# Altium PCB STM32_XC_BZB_2024-2.PcbDoc (part 1 of 2)
Units mil, origin at the board's own origin, x right, y up, seen from the top; angles counter-clockwise.
Board outline 3425 x 3900 mil, 2 copper layers (Top Layer, Bottom Layer); 34 components, 44 nets, 153 pads, 16 vias.
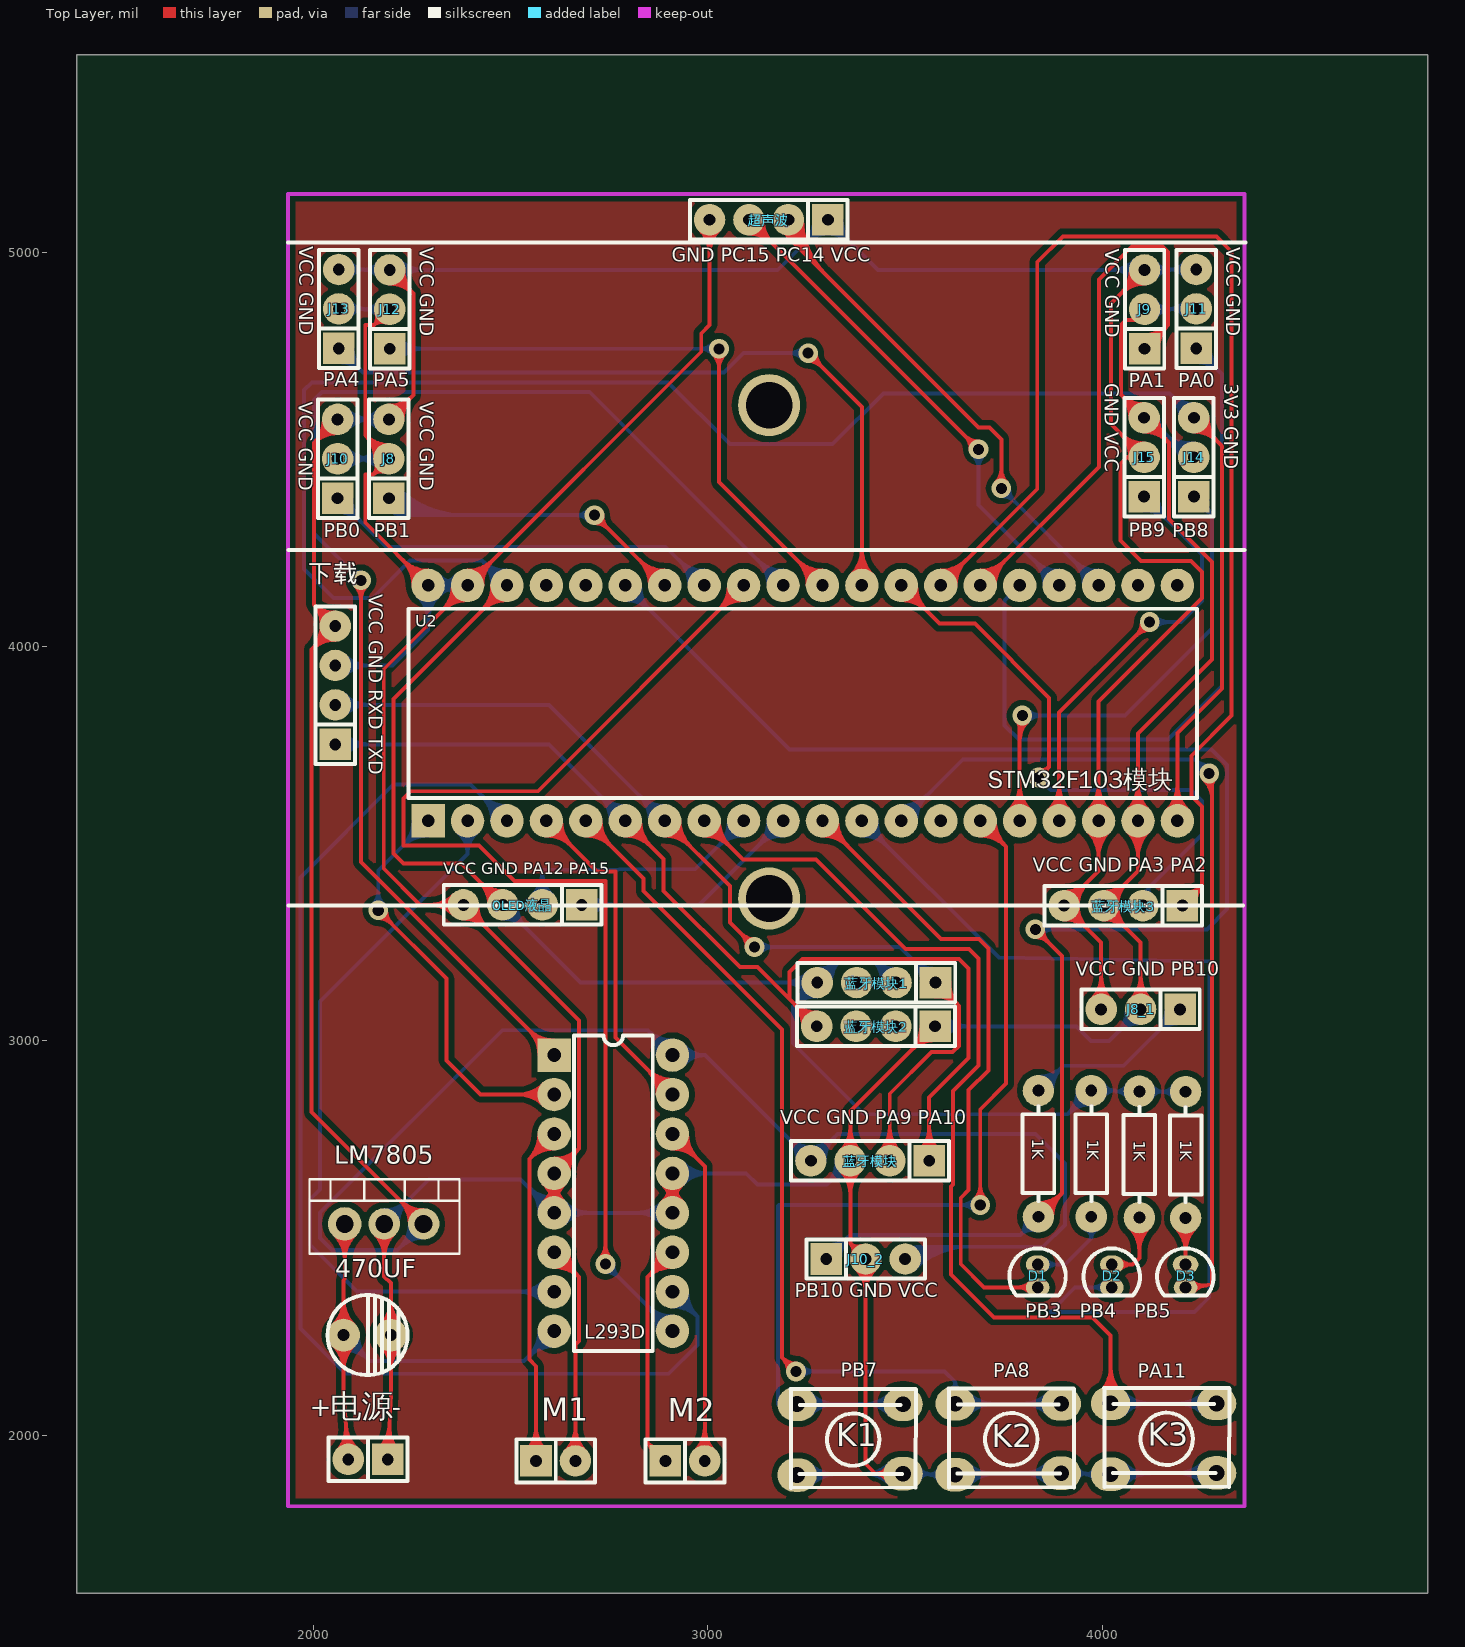
[diagram p0: Top Layer view]
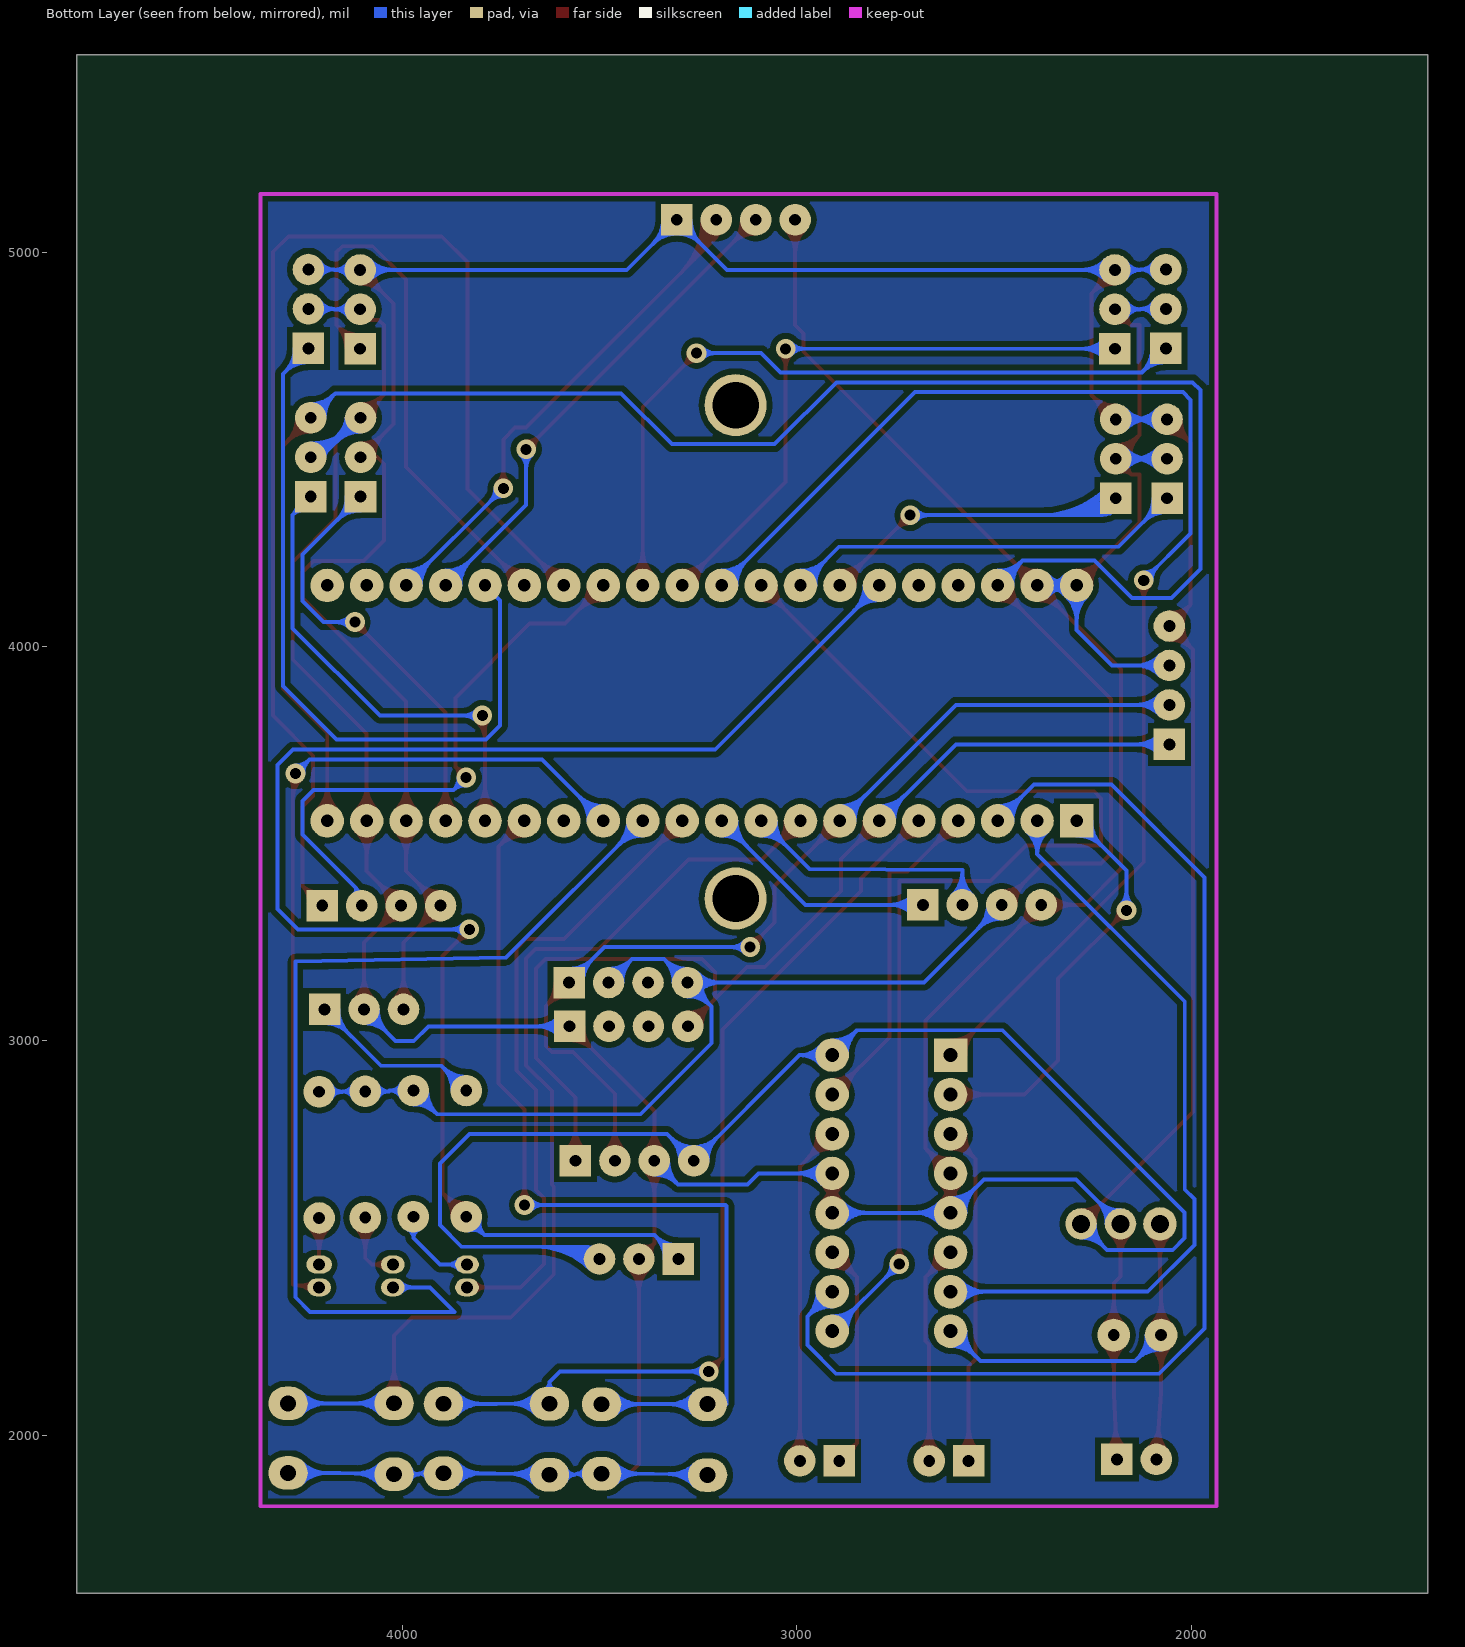
[diagram p1: Bottom Layer view, seen from below]

## Layer stack, top to bottom
Top Layer: signal copper 1.4
Dielectric: dielectric 12.6, FR-4, Dk 4.8
Bottom Layer: signal copper 1.4

## Board outline
1400,5500 4825,5500 4825,1600 1400,1600 1400,5500

## Design rules (kind name [scope] priority, off if disabled: settings)
Clearance [All] p1: gap=15
PolygonConnect [All] p1: connectstyle=Relief reliefconductorwidth=10 reliefentries=4 polygonreliefangle="90 Angle" airgapwidth=10
RoutingVias [All] p1: holewidth=28 width=50 viastyle="Through Hole" minholewidth=28 minwidth=50 maxholewidth=28 maxwidth=50
SilkscreenOverComponentPads [All] p1: minsilkscreentomaskgap=10
SolderMaskExpansion [All] p1: expansion=4
Width [All] p1: maxlimit=50 minlimit=10 preferedwidth=10
27 further rules are at their usual default settings.

## Components (designator, comment, footprint, x,y, rotation, side; value= is the part's Value field where it differs from the comment)
1K "470" R2 3838,2734 r90 top (schematic designator R3)
1K "470" R2 4211,2691 r270 top (schematic designator R3)
1K "470" R2 4094,2692 r270 top (schematic designator R2)
1K "470" R2 3972,2694 r270 top (schematic designator R1)
470UF "470uF" CD1 2186,2259 r180 top (schematic designator C1)
+电源- "POWER" SIP2 2148,1934 r180 top (schematic designator J2)
D1 "" LED-3#1 3836,2403 r270 top (schematic designator D3)
D2 "开关/速度指示灯" LED-3#1 4024,2403 r270 top (schematic designator D4)
D3 "LED" LED-3#2 4211,2403 r270 top (schematic designator D5)
J8 "CGY_Z2" SIP3 2181,4476 r90 top
J8_1 "CGY_Z2" SIP3 4097,3070 r180 top (schematic designator J8)
J9 "CGQ_Y2" SIP3 4097,4855 r90 top
J10 "CGQ_Z1" SIP3 2051,4476 r90 top
J10_2 "CGQ_Z1" SIP3 3400,2457 r0 top (schematic designator J10)
J11 "CGQ_Y1" SIP3 4228,4856 r90 top
J12 "CGQ_Y3" SIP3 2183,4855 r90 top
J13 "CGQ_Y3" SIP3 2054,4856 r90 top (schematic designator J12)
J14 "CGQ_Y3" SIP3 4222,4480 r90 top (schematic designator J12)
J15 "CGQ_Y3" SIP3 4096,4480 r90 top (schematic designator J12)
K1 "微动开关" SW-PB 3361,1974 r180 top
K2 "微动开关" SW-PB 3762,1975 r180 top
K3 "微动开关" SW-PB 4156,1976 r180 top
L293D "L293D" DIP16 2767,2684 r0 top (schematic designator U3)
LM7805 "LM7805" LM7805 2179,2536 r0 top (schematic designator U1)
M1 "左电机" SIP2 2604,1940 r0 top (schematic designator J4)
M2 "右电机" SIP2 2932,1940 r0 top (schematic designator J5)
OLED液晶 "OLED液晶" SIP4 2680,3355 r180 top (schematic designator J1)
U2 "STM32最小系统（STM32F103C8T6）" stm32f103_mini 2878,3815 r90 top
下载 "串口及程序下载接口" SIP4 2065,3752 r90 top (schematic designator J3)
蓝牙模块 "蓝牙串口模块" SIP4 3561,2706 r180 top (schematic designator J6)
蓝牙模块1 "蓝牙串口模块" SIP4 3577,3158 r180 top (schematic designator J6)
蓝牙模块2 "蓝牙串口模块" SIP4 3576,3047 r180 top (schematic designator J6)
蓝牙模块3 "蓝牙串口模块" SIP4 4203,3353 r180 top (schematic designator J6)
超声波 "超声波模块" SIP4 3304,5092 r180 top (schematic designator J7)

## Footprints (in the part's own frame and the unit in brackets; to place one, negate y for a bottom-side part, rotate by r counter-clockwise, add the part's x,y. Pads: shape width x height; smd on the part's side, far side on the other; paste and mask are expansions set on the pad)
CD1 [mil]
  round 83 hole 30: 1(110,5) 2(-10,5)
  silkscreen extent -53,-96 151,106
DIP16 [mil]
  rect 85x85 hole 35: 1(-157.01,280.08)
  round 85 hole 35: 2(-157.01,180.08) 3(-157.01,80.08) 4(-157.01,-19.92) 5(-157.01,-119.92) 6(-157.01,-219.92) 7(-157.01,-319.92) 8(-157.01,-419.92) 9(142.99,-419.92) 10(142.99,-319.92) 11(142.99,-219.92) 12(142.99,-119.92) 13(142.99,-19.92) 14(142.99,80.08) 15(142.99,180.08) 16(142.99,280.08)
  silkscreen extent -107,-470 93,330
LED-3#1 [mil]
  oval 45x60 hole 30: 1(-30,0) 2(28,0)
  silkscreen extent -71,-72 48,71
LED-3#2 [mil]
  oval 45x65 hole 30: 1(-30,0)
  oval 45x60 hole 30: 2(28,0)
  silkscreen extent -71,-72 48,71
LM7805 [mil]
  round 85 hole 45: 1(-100,0)
  round 80 hole 45: 2(0,0) 3(100,0)
  silkscreen extent -189,-76 191,113
R2 [mil]
  round 80 hole 30: 1(-180,0) 2(140,0)
  silkscreen extent -140,-40 100,40
SIP2 [mil]
  rect 80x80 hole 30: 1(-40,-5)
  round 80 hole 30: 2(60,-5)
  silkscreen extent -90,-60 110,50
SIP3 [mil]
  rect 80x80 hole 30: 1(-100,-10)
  round 80 hole 30: 2(0,-10) 3(100,-10)
  silkscreen extent -150,-60 150,40
SIP4 [mil]
  rect 80x80 hole 30: 1(0,10)
  round 80 hole 30: 2(100,10) 3(200,10) 4(300,10)
  silkscreen extent -50,-40 350,60
stm32f103_mini [mil]
  rect 85x85 hole 31.5: 1(-256.96,587.62)
  round 85 hole 31.5: 2(-256.96,487.62) 3(-256.96,387.62) 4(-256.96,287.62) 5(-256.96,187.62) 6(-256.96,87.62) 7(-256.96,-12.38) 8(-256.96,-112.38) 9(-256.96,-212.38) 10(-256.96,-312.38) 11(-256.96,-412.38) 12(-256.96,-512.38) 13(-256.96,-612.38) 14(-256.96,-712.38) 15(-256.96,-812.38) 16(-256.96,-912.38) 17(-256.96,-1012.38) 18(-256.96,-1112.38) 19(-256.96,-1212.38) 20(-256.96,-1312.38) 21(339.89,-1312.38) 22(339.89,-1212.38) 23(339.89,-1112.38) 24(339.89,-1012.38) 25(339.89,-912.38) 26(339.89,-812.38) 27(339.89,-712.38) 28(339.89,-612.38) 29(339.89,-512.38) 30(339.89,-412.38) 31(339.89,-312.38) 32(339.89,-212.38) 33(339.89,-112.38) 34(339.89,-12.38) 35(339.89,87.62) 36(339.89,187.62) 37(339.89,287.62) 38(339.89,387.62) 39(339.89,487.62) 40(339.89,587.62)
  silkscreen extent -199,-1362 281,638
SW-PB [mil]
  oval 100x85 hole 40: 1(-133.74,71.53) 1(135,75) 2(-133.74,-104.84) 2(135,-105)
  silkscreen extent -166,-144 152,108

## Free pads (board coordinates)
  round 157.48 hole 118.11: 0(3155,3361) 0(3155,4612)

## Via types
v1: diameter 50, hole 28, Top Layer to Bottom Layer, 16 vias

## Nets (pads, with @x,y where several pads share a name; then routed paths per layer and width w, separated by ;. In a path a pad name is that pad's centre, name@x,y a point inside that pad or via, vN(x,y) a via of type N, cw(c..) or ccw(c..) an arc to the next point about the centre after c; other vN are vias at no path point)
3V3: 1K.1@3972,2874 1K.1@4094,2872 1K.1@4211,2871 J14.3 OLED液晶.3 U2.20 U2.38 蓝牙模块1.2 蓝牙模块1.4 | length 11358
  Top Layer w10: OLED液晶.3@2445,3345 ccw(c2360.5,3345) 2420.25,3404.75 ccw(c2480,3464.5) OLED液晶.3@2480,3380 ; U2.38@2452.88,4154.89 cw(c2362.34,4154.89) 2426.36,4090.87 cw(c2490.38,4026.86) U2.38@2490.38,4117.39 ; OLED液晶.3@2455,3345 ccw(c2394.64,3345) 2437.32,3387.68 ccw(c2480,3430.36) OLED液晶.3@2480,3370 ; U2.38@2462.88,4154.89 cw(c2396.49,4154.89) 2443.43,4107.94 cw(c2490.38,4061) U2.38@2490.38,4127.39 ; OLED液晶.3@2480,3345 2375,3450 2228.41,3450 2202.88,3475.53 2202.88,3867.39 U2.38@2490.38,4154.89 ; U2.20@4163.86,3584.56 ccw(c4099.85,3648.57) 4190.38,3648.57 ccw(c4280.91,3648.57) U2.20@4216.89,3584.56 ; U2.20@4170.93,3577.49 ccw(c4123.99,3624.43) 4190.38,3624.43 ccw(c4256.77,3624.43) U2.20@4209.82,3577.49 ; U2.20@4190.38,3558.04 4190.38,3780.38 4303,3893 4303,4509 J14.3@4232,4580 ; J14.3@4232,4545 cw(c4232,4460.5) 4291.75,4520.25 cw(c4351.5,4580) J14.3@4267,4580 ; J14.3@4232,4555 cw(c4232,4494.64) 4274.68,4537.32 cw(c4317.36,4580) J14.3@4257,4580
  Bottom Layer w10: U2.38@2452.88,4155.27 ccw(c2365.44,4156.16) 2427.27,4218 ; U2.38@2462.88,4155.17 ccw(c2398.75,4155.82) 2444.1,4201.17 ccw(c2489.45,4246.51) U2.38@2490.1,4182.39 ; OLED液晶.3@2480,3310 cw(c2480,3225.5) 2539.75,3285.25 cw(c2599.5,3345) OLED液晶.3@2515,3345 ; OLED液晶.3@2480,3320 cw(c2480,3259.64) 2522.68,3302.32 cw(c2565.36,3345) OLED液晶.3@2505,3345 ; OLED液晶.3@2480,3345 2677,3148 蓝牙模块1.4@3277,3148 ; U2.38@2490,4192.39 cw(c2489.11,4279.83) 2427.27,4218 ; U2.38@2490.38,4154.89 2427.27,4218 ; 蓝牙模块1.4@3242,3148 cw(c3157.5,3148) 3217.25,3088.25 cw(c3277,3028.5) 蓝牙模块1.4@3277,3113 ; 蓝牙模块1.4@3252,3148 cw(c3191.64,3148) 3234.32,3105.32 cw(c3277,3062.64) 蓝牙模块1.4@3277,3123 ; 蓝牙模块1.4@3252.25,3123.25 ccw(c3192.5,3063.5) 3192.5,3148 ccw(c3192.5,3232.5) 蓝牙模块1.4@3252.25,3172.75 ; 蓝牙模块1.4@3259.32,3130.32 ccw(c3216.64,3087.64) 3216.64,3148 ccw(c3216.64,3208.36) 蓝牙模块1.4@3259.32,3165.68 ; 蓝牙模块1.4@3277,3173 ccw(c3277,3233.36) 3319.68,3190.68 ccw(c3362.36,3148) 蓝牙模块1.4@3302,3148 ; 蓝牙模块1.4@3277,3183 ccw(c3277,3267.5) 3336.75,3207.75 ccw(c3396.5,3148) 蓝牙模块1.4@3312,3148 ; 蓝牙模块1.2@3442,3148 ccw(c3357.5,3148) 3417.25,3207.75 ccw(c3477,3267.5) 蓝牙模块1.2@3477,3183 ; 蓝牙模块1.2@3452,3148 ccw(c3391.64,3148) 3434.32,3190.68 ccw(c3477,3233.36) 蓝牙模块1.2@3477,3173 ; 蓝牙模块1.2@3477,3148 3417,3208 3337,3208 蓝牙模块1.4@3277,3148 ; 1K.1@3937,2874 cw(c3852.5,2874) 3912.25,2814.25 cw(c3972,2754.5) 1K.1@3972,2839 ; 1K.1@3947,2874 cw(c3886.64,2874) 3929.32,2831.32 cw(c3972,2788.64) 1K.1@3972,2849 ; 1K.1@3993.76,2861.7 cw(c4014.86,2849.77) 4014.86,2874 cw(c4014.86,2898.23) 1K.1@3993.76,2886.3 ; 1K.1@4002.47,2856.77 cw(c4032,2840.08) 4032,2874 ; 1K.1@4002.47,2891.23 ccw(c4032,2907.92) 4032,2874 ; 1K.1@4063.53,2854.77 ccw(c4034,2838.08) 4034,2872 ; 1K.1@4063.53,2889.23 cw(c4034,2905.92) 4034,2872 ; 1K.1@4072.24,2859.7 ccw(c4051.14,2847.77) 4051.14,2872 ccw(c4051.14,2896.23) 1K.1@4072.24,2884.3 ; 1K.1@4116.12,2860.35 cw(c4135.43,2850.18) 4135.43,2872 cw(c4135.43,2893.82) 1K.1@4116.12,2883.65 ; 1K.1@4124.97,2855.69 cw(c4152,2841.45) 4152,2872 ; 1K.1@4124.97,2888.31 ccw(c4152,2902.55) 4152,2872 ; 1K.1@4180.03,2854.69 ccw(c4153,2840.45) 4153,2871 ; 1K.1@4180.03,2887.31 cw(c4153,2901.55) 4153,2871 ; 1K.1@4188.88,2859.35 ccw(c4169.57,2849.18) 4169.57,2871 ccw(c4169.57,2892.82) 1K.1@4188.88,2882.65 ; J14.3@4197,4580 ccw(c4112.5,4580) 4172.25,4639.75 ccw(c4232,4699.5) J14.3@4232,4615 ; J14.3@4207,4580 ccw(c4146.64,4580) 4189.32,4622.68 ccw(c4232,4665.36) J14.3@4232,4605 ; 1K.1@4211,2871 4153,2871 ; J14.3@4232,4580 4170,4642 3445,4642 3316,4513 3056,4513 2899,4670 1996,4670 1976,4650 1976,4197 2050,4123 2150,4123 2245,4218 2427.27,4218 ; 蓝牙模块1.4@3277,3148 3216,3087 3216,2994 3396,2814 3912,2814 1K.1@3972,2874 4032,2874 ; 4032,2874 4034,2872 ; 4034,2872 1K.1@4094,2872 4152,2872 ; 4152,2872 4153,2871
7.2V: 470UF.1 +电源-.2 L293D.8 LM7805.1 | length 2628.8
  Top Layer w10: 470UF.1@2050.19,2228.19 cw(c1987.88,2165.88) 2076,2165.88 cw(c2164.12,2165.88) 470UF.1@2101.81,2228.19 ; 470UF.1@2050.19,2279.81 ccw(c1987.88,2342.12) 2076,2342.12 ccw(c2164.12,2342.12) 470UF.1@2101.81,2279.81 ; LM7805.1@2052.48,2509.48 cw(c1988.47,2445.47) 2079,2445.47 cw(c2169.53,2445.47) LM7805.1@2105.52,2509.48 ; 470UF.1@2057.26,2235.26 cw(c2012.02,2190.02) 2076,2190.02 cw(c2139.98,2190.02) 470UF.1@2094.74,2235.26 ; 470UF.1@2057.26,2272.74 ccw(c2012.02,2317.98) 2076,2317.98 ccw(c2139.98,2317.98) 470UF.1@2094.74,2272.74 ; LM7805.1@2059.55,2516.55 cw(c2012.61,2469.61) 2079,2469.61 cw(c2145.39,2469.61) LM7805.1@2098.45,2516.55 ; +电源-.2@2061.56,1961.93 ccw(c1997.73,2017.3) 2082.02,2023.29 ccw(c2166.3,2029.27) +电源-.2@2110.93,1965.44 ; +电源-.2@2069.11,1955.38 ccw(c2023.52,1994.93) 2083.73,1999.2 ccw(c2143.93,2003.48) +电源-.2@2104.38,1957.89 ; LM7805.1@2079,2536 2079,2396 2076,2393 470UF.1@2076,2254 2076,2108 +电源-.2@2088,1939
  Bottom Layer w10: 470UF.1@2076,2217.5 cw(c2076,2129.38) 2138.31,2191.69 cw(c2200.62,2254) 470UF.1@2112.5,2254 ; 470UF.1@2076,2227.5 cw(c2076,2163.52) 2121.24,2208.76 cw(c2166.48,2254) 470UF.1@2102.5,2254 ; 470UF.1@2076,2254 2142,2188 2533.91,2188 L293D.8@2609.99,2264.08 ; L293D.8@2572.49,2264.08 cw(c2481.96,2264.08) 2545.98,2200.06 cw(c2609.99,2136.05) L293D.8@2609.99,2226.58 ; L293D.8@2582.49,2264.08 cw(c2516.1,2264.08) 2563.05,2217.13 cw(c2609.99,2170.19) L293D.8@2609.99,2236.58
AIN1: L293D.2 U2.1 | length 1685.3
  Top Layer w10: v1@2164,3311 cw(c2164,3262.72) 2198.14,3296.86 cw(c2232.28,3331) v1@2184,3331 ; v1(2164,3331) 2337,3158 2337,2950 2422.92,2864.08 L293D.2@2609.99,2864.08 ; L293D.2@2583.48,2837.56 ccw(c2519.46,2773.55) 2519.46,2864.08 ccw(c2519.46,2954.61) L293D.2@2583.48,2890.6 ; L293D.2@2590.55,2844.63 ccw(c2543.6,2797.69) 2543.6,2864.08 ccw(c2543.6,2930.47) L293D.2@2590.55,2883.53
  Bottom Layer w10: v1@2149.86,3345.14 ccw(c2115.72,3379.28) 2164,3379.28 ccw(c2212.28,3379.28) v1@2178.14,3345.14 ; v1(2164,3331) 2164,3431.66 U2.1@2290.38,3558.04 ; U2.1@2252.88,3558.04 cw(c2162.34,3558.04) 2226.36,3494.02 cw(c2290.38,3430.01) U2.1@2290.38,3520.54 ; U2.1@2262.88,3558.04 cw(c2196.49,3558.04) 2243.43,3511.09 cw(c2290.38,3464.15) U2.1@2290.38,3530.54
AIN2: L293D.7 U2.2 | length 2374.2
  Bottom Layer w10: U2.2@2365.33,3530.13 cw(c2314.97,3474.01) 2390.38,3474.01 ; U2.2@2372.01,3537.57 cw(c2335.08,3496.41) 2390.38,3496.41 cw(c2445.68,3496.41) U2.2@2408.74,3537.57 ; U2.2@2390.38,3558.04 2390.38,3474 ; U2.2@2415.42,3530.13 ccw(c2465.79,3474.01) 2390.38,3474.01 ; L293D.7@2583.48,2337.56 ccw(c2519.46,2273.55) 2519.46,2364.08 ccw(c2519.46,2454.61) L293D.7@2583.48,2390.6 ; L293D.7@2590.55,2344.63 ccw(c2543.6,2297.69) 2543.6,2364.08 ccw(c2543.6,2430.47) L293D.7@2590.55,2383.53 ; L293D.7@2609.99,2364.08 2109.92,2364.08 1991.5,2482.5 1991.5,2599 2016,2623.5 2016,3099.62 2390.38,3474
BIN1: L293D.10 U2.3 | length 3535.9
  Bottom Layer w10: U2.3@2452.88,3558.04 ccw(c2362.34,3558.04) 2426.36,3622.06 ccw(c2490.38,3686.07) U2.3@2490.38,3595.54 ; U2.3@2462.88,3558.04 ccw(c2396.49,3558.04) 2443.43,3604.99 ccw(c2490.38,3651.93) U2.3@2490.38,3585.54 ; U2.3@2490.38,3558.04 2398.42,3650 2202,3650 1966.5,3414.5 1966.5,2270.5 2081,2156 2900,2156 2973,2229 2973,2301.07 L293D.10@2909.99,2364.08 ; L293D.10@2910.3,2336.58 cw(c2911.03,2272.71) 2956.2,2317.88 cw(c3001.36,2363.05) L293D.10@2937.49,2363.77 ; L293D.10@2910.42,2326.58 cw(c2911.4,2239.48) 2973,2301.08 cw(c3034.59,2362.67) L293D.10@2947.49,2363.66
BIN2: L293D.15 U2.4 | length 1346.6
  Top Layer w10: U2.4@2590.38,3520.54 cw(c2590.38,3430.01) 2654.39,3494.02 cw(c2718.41,3558.04) U2.4@2627.88,3558.04 ; U2.4@2590.38,3530.54 cw(c2590.38,3464.15) 2637.32,3511.09 cw(c2684.27,3558.04) U2.4@2617.88,3558.04 ; U2.4@2590.38,3558.04 2718.42,3430 2765,3430 2765,3009.07 L293D.15@2909.99,2864.08 ; L293D.15@2872.49,2864.08 ccw(c2781.96,2864.08) 2845.98,2928.1 ccw(c2909.99,2992.11) L293D.15@2909.99,2901.58 ; L293D.15@2882.49,2864.08 ccw(c2816.1,2864.08) 2863.05,2911.03 ccw(c2909.99,2957.97) L293D.15@2909.99,2891.58
GND: 470UF.2 +电源-.1 J8.2 J8_1.2 J9.2 J10.2 J10_2.2 J11.2 J12.2 J13.2 J14.2 J15.3 K1.1 K2.1 K3.1 L293D.4 L293D.5 L293D.12 L293D.13 LM7805.2 OLED液晶.4 U2.19 U2.39 U2.40 下载.3 蓝牙模块2.1 蓝牙模块3.3 蓝牙模块.3 超声波.4 | length 25932.3
  Top Layer w10: LM7805.2@2154.25,2511.25 cw(c2094.5,2451.5) 2179,2451.5 cw(c2263.5,2451.5) LM7805.2@2203.75,2511.25 ; J8.2@2156,4476 ccw(c2071.5,4476) 2131.25,4535.75 ccw(c2191,4595.5) J8.2@2191,4511 ; J8.2@2157.81,4464.9 cw(c2131.05,4455.95) 2151,4436 ; J12.2@2159.81,4843.9 cw(c2133.05,4834.95) 2153,4815 ; LM7805.2@2161.32,2518.32 cw(c2118.64,2475.64) 2179,2475.64 cw(c2239.36,2475.64) LM7805.2@2196.68,2518.32 ; +电源-.1@2164.48,1964.92 ccw(c2107.69,2027.49) 2192.09,2023.4 ccw(c2276.49,2019.31) +电源-.1@2213.92,1962.52 ; J8.2@2166,4476 ccw(c2105.64,4476) 2148.32,4518.68 ccw(c2191,4561.36) J8.2@2191,4501 ; J8.2@2167.29,4468.07 cw(c2148.18,4461.68) 2162.43,4447.43 cw(c2176.68,4433.18) J8.2@2183.07,4452.29 ; J12.2@2169.29,4847.07 cw(c2150.18,4840.68) 2164.43,4826.43 cw(c2178.68,4812.18) J12.2@2185.07,4831.29 ; 470UF.2@2170.19,2228.19 cw(c2107.88,2165.88) 2196,2165.88 cw(c2284.12,2165.88) 470UF.2@2221.81,2228.19 ; 470UF.2@2170.19,2279.81 ccw(c2107.88,2342.12) 2196,2342.12 ccw(c2284.12,2342.12) 470UF.2@2221.81,2279.81 ; +电源-.1@2171.2,1957.51 ccw(c2130.64,2002.21) 2190.92,1999.28 ccw(c2251.21,1996.36) +电源-.1@2206.51,1955.8 ; 470UF.2@2177.26,2235.26 cw(c2132.02,2190.02) 2196,2190.02 cw(c2259.98,2190.02) 470UF.2@2214.74,2235.26 ; 470UF.2@2177.26,2272.74 ccw(c2132.02,2317.98) 2196,2317.98 ccw(c2259.98,2317.98) 470UF.2@2214.74,2272.74 ; LM7805.2@2179,2536 2179,2403 2196,2386 470UF.2@2196,2254 2196,2104 +电源-.1@2188,1939 ; J8.2@2179.9,4442.81 ccw(c2170.95,4416.05) 2151,4436 ; J12.2@2181.9,4821.81 ccw(c2172.95,4795.05) 2153,4815 ; J12.2@2193,4855 2153,4815 ; U2.40@2252.88,4154.89 ccw(c2162.34,4154.89) 2226.36,4218.91 ccw(c2290.38,4282.92) U2.40@2290.38,4192.39 ; U2.40@2262.88,4154.89 ccw(c2196.49,4154.89) 2243.43,4201.84 ccw(c2290.38,4248.78) U2.40@2290.38,4182.39 ; U2.40@2290.38,4154.89 2131,4314.27 2131,4436 2151,4436 ; U2.39@2352.88,4154.89 cw(c2262.34,4154.89) 2326.36,4090.87 cw(c2390.38,4026.86) U2.39@2390.38,4117.39 ; OLED液晶.4@2355.25,3320.25 ccw(c2295.5,3260.5) 2295.5,3345 ccw(c2295.5,3429.5) OLED液晶.4@2355.25,3369.75 ; OLED液晶.4@2362.32,3327.32 ccw(c2319.64,3284.64) 2319.64,3345 ccw(c2319.64,3405.36) OLED液晶.4@2362.32,3362.68 ; U2.39@2362.88,4154.89 cw(c2296.49,4154.89) 2343.43,4107.94 cw(c2390.38,4061) U2.39@2390.38,4127.39 ; OLED液晶.4@2380,3310 cw(c2380,3225.5) 2439.75,3285.25 cw(c2499.5,3345) OLED液晶.4@2415,3345 ; OLED液晶.4@2380,3320 cw(c2380,3259.64) 2422.68,3302.32 cw(c2465.36,3345) OLED液晶.4@2405,3345 ; U2.39@2390.38,4182.39 ccw(c2390.38,4248.78) 2437.32,4201.84 ccw(c2484.27,4154.89) U2.39@2417.88,4154.89 ; U2.39@2390.38,4192.39 ccw(c2390.38,4282.92) 2454.39,4218.91 ccw(c2518.41,4154.89) U2.39@2427.88,4154.89 ; L293D.5@2583.48,2590.6 ccw(c2519.46,2654.61) 2609.99,2654.61 ccw(c2700.53,2654.61) L293D.5@2636.51,2590.6 ; L293D.4@2583.48,2637.56 cw(c2519.46,2573.55) 2609.99,2573.55 cw(c2700.53,2573.55) L293D.4@2636.51,2637.56 ; L293D.5@2590.55,2583.53 ccw(c2543.6,2630.47) 2609.99,2630.47 ccw(c2676.38,2630.47) L293D.5@2629.44,2583.53 ; L293D.4@2590.55,2644.63 cw(c2543.6,2597.69) 2609.99,2597.69 cw(c2676.38,2597.69) L293D.4@2629.44,2644.63 ; L293D.4@2591.42,2631.5 cw(c2583.5,2617.59) 2598.96,2613.45 cw(c2616.59,2608.72) L293D.4@2614.43,2626.84 ; L293D.4@2596.25,2629.19 cw(c2590.9,2615.61) 2605,2611.83 cw(c2627.61,2605.77) L293D.4@2620.84,2628.18 ; L293D.4@2599.14,2628.18 cw(c2592.37,2605.77) 2614.99,2611.83 cw(c2629.09,2615.61) L293D.4@2623.74,2629.19 ; L293D.4@2605.56,2626.84 cw(c2603.4,2608.72) 2621.02,2613.45 cw(c2636.49,2617.59) L293D.4@2628.56,2631.5 ; L293D.5@2609.99,2564.08 L293D.4@2609.99,2664.08 2673,2727.09 ; L293D.4@2610.3,2691.58 ccw(c2611.03,2755.45) 2656.2,2710.28 ccw(c2701.36,2665.11) L293D.4@2637.49,2664.39 ; L293D.4@2610.42,2701.58 ccw(c2611.4,2788.68) 2673,2727.08 ; L293D.4@2647.49,2664.5 cw(c2734.59,2665.49) 2673,2727.08 ; L293D.12@2883.48,2590.6 ccw(c2819.46,2654.61) 2909.99,2654.61 ccw(c3000.53,2654.61) L293D.12@2936.51,2590.6 ; L293D.13@2883.48,2637.56 cw(c2819.46,2573.55) 2909.99,2573.55 cw(c3000.53,2573.55) L293D.13@2936.51,2637.56 ; L293D.12@2890.55,2583.53 ccw(c2843.6,2630.47) 2909.99,2630.47 ccw(c2976.38,2630.47) L293D.12@2929.44,2583.53 ; L293D.13@2890.55,2644.63 cw(c2843.6,2597.69) 2909.99,2597.69 cw(c2976.38,2597.69) L293D.13@2929.44,2644.63 ; L293D.12@2891.42,2596.66 ccw(c2883.5,2610.57) 2898.96,2614.71 ccw(c2916.59,2619.44) L293D.12@2914.43,2601.32 ; L293D.12@2896.25,2598.97 ccw(c2890.9,2612.55) 2905,2616.33 ccw(c2927.61,2622.39) L293D.12@2920.84,2599.98 ; L293D.12@2899.14,2599.98 ccw(c2892.37,2622.39) 2914.99,2616.33 ccw(c2929.09,2612.55) L293D.12@2923.74,2598.97 ; L293D.12@2905.56,2601.32 ccw(c2903.4,2619.44) 2921.02,2614.71 ccw(c2936.49,2610.57) L293D.12@2928.56,2596.66 ; L293D.12@2909.99,2564.08 L293D.13@2909.99,2664.08 ; 超声波.4@2979.25,5057.25 cw(c2919.5,4997.5) 3004,4997.5 cw(c3088.5,4997.5) 超声波.4@3028.75,5057.25 ; 超声波.4@2986.32,5064.32 cw(c2943.64,5021.64) 3004,5021.64 cw(c3064.36,5021.64) 超声波.4@3021.68,5064.32 ; 超声波.4@3004,5082 3004,4815 2983,4794 2983,4747.51 U2.39@2390.38,4154.89 2177.88,3942.39 2177.88,3436.74 2269.62,3345 OLED液晶.4@2380,3345 2673,3052 2673,2727.09 ; 蓝牙模块.3@3336.25,2671.25 cw(c3276.5,2611.5) 3361,2611.5 cw(c3445.5,2611.5) 蓝牙模块.3@3385.75,2671.25 ; 蓝牙模块.3@3336.25,2720.75 ccw(c3276.5,2780.5) 3361,2780.5 ccw(c3445.5,2780.5) 蓝牙模块.3@3385.75,2720.75 ; 蓝牙模块.3@3343.32,2678.32 cw(c3300.64,2635.64) 3361,2635.64 cw(c3421.36,2635.64) 蓝牙模块.3@3378.68,2678.32 ; 蓝牙模块.3@3343.32,2713.68 ccw(c3300.64,2756.36) 3361,2756.36 ccw(c3421.36,2756.36) 蓝牙模块.3@3378.68,2713.68 ; J10_2.2@3367.07,2458.86 ccw(c3342.65,2467.65) 3361,2486 ; J10_2.2@3375.25,2422.25 cw(c3315.5,2362.5) 3400,2362.5 cw(c3484.5,2362.5) J10_2.2@3424.75,2422.25 ; J10_2.2@3382.32,2429.32 cw(c3339.64,2386.64) 3400,2386.64 cw(c3460.36,2386.64) J10_2.2@3417.68,2429.32 ; J10_2.2@3388.14,2479.93 cw(c3379.35,2504.35) 3361,2486 ; K1.1@3454.09,1884.94 ccw(c3425,1869.57) 3425,1902.47 ; K1.1@3454.09,1919.99 cw(c3425,1935.36) 3425,1902.47 ; K1.1@3462.93,1889.61 ccw(c3441.6,1878.34) 3441.6,1902.47 ccw(c3441.6,1926.59) K1.1@3462.93,1915.32 ; K1.1@3494.74,1902.47 3425,1902.47 ; 蓝牙模块2.1@3541,3037 cw(c3456.5,3037) 3516.25,2977.25 cw(c3576,2917.5) 蓝牙模块2.1@3576,3002 ; 蓝牙模块2.1@3551,3037 cw(c3490.64,3037) 3533.32,2994.32 cw(c3576,2951.64) 蓝牙模块2.1@3576,3012 ; 蓝牙模块2.1@3576,3037 3361,2822 蓝牙模块.3@3361,2696 3361,2486 ; 蓝牙模块3.3@4003,3308 cw(c4003,3223.5) 4062.75,3283.25 cw(c4122.5,3343) 4038,3343 cw(c4122.5,3343) 4062.75,3402.75 cw(c4003,3462.5) 蓝牙模块3.3@4003,3378 ; 蓝牙模块3.3@4003,3318 cw(c4003,3257.64) 4045.68,3300.32 cw(c4088.36,3343) 4028,3343 cw(c4088.36,3343) 4045.68,3385.68 cw(c4003,3428.36) 蓝牙模块3.3@4003,3368 ; U2.19@4063.86,3531.52 cw(c3999.84,3467.51) 4090.38,3467.51 cw(c4180.91,3467.51) U2.19@4116.89,3531.52 ; U2.19@4063.86,3584.56 ccw(c3999.84,3648.57) 4090.38,3648.57 ccw(c4180.91,3648.57) U2.19@4116.89,3584.56 ; U2.19@4070.93,3538.59 cw(c4023.99,3491.65) 4090.38,3491.65 cw(c4156.77,3491.65) U2.19@4109.82,3538.59 ; U2.19@4070.93,3577.49 ccw(c4023.99,3624.43) 4090.38,3624.43 ccw(c4156.77,3624.43) U2.19@4109.82,3577.49 ; J15.3@4071,4580.31 ccw(c3989.06,4581.05) 4047,4639 ; J8_1.2@4072.25,3104.75 ccw(c4012.5,3164.5) 4097,3164.5 ccw(c4181.5,3164.5) J8_1.2@4121.75,3104.75 ; J8_1.2@4079.32,3097.68 ccw(c4036.64,3140.36) 4097,3140.36 ccw(c4157.36,3140.36) J8_1.2@4114.68,3097.68 ; J15.3@4081,4580.22 ccw(c4022.47,4580.75) 4063.86,4622.14 ccw(c4105.25,4663.53) J15.3@4105.78,4605 ; J8_1.2@4097,3080 4097,3249 蓝牙模块3.3@4003,3343 4090.38,3430.38 U2.19@4090.38,3558.04 4090.38,3780 4277.88,3967.5 4277.88,4214.51 4169,4323.39 4169,4517 J15.3@4106,4580 4047,4639 ; J15.3@4105.69,4615 cw(c4104.95,4696.94) 4047,4639 ; J15.3@4106,4545 cw(c4106,4460.5) 4165.75,4520.25 cw(c4225.5,4580) J15.3@4141,4580 ; J15.3@4106,4555 cw(c4106,4494.64) 4148.68,4537.32 cw(c4191.36,4580) J15.3@4131,4580 ; J9.2@4107,4855 4107,4828 4060,4828 4047,4815 4047,4639 ; 2151,4436 J8.2@2191,4476 2131,4536 2131,4815 2153,4815 ; 3361,2486 J10_2.2@3400,2447 3400,1927.47 3425,1902.47
  Bottom Layer w10: 下载.3@2055,3952 2200,3952 2290.38,4042.38 U2.40@2290.38,4154.89 U2.39@2390.38,4154.89 ; J10.2@2061,4476 J8.2@2191,4476 ; J13.2@2064,4856 2128,4856 ; 下载.3@2072.68,3934.32 cw(c2115.36,3891.64) 2115.36,3952 cw(c2115.36,4012.36) 下载.3@2072.68,3969.68 ; J10.2@2078.68,4458.32 cw(c2121.36,4415.64) 2121.36,4476 cw(c2121.36,4536.36) J10.2@2078.68,4493.68 ; 下载.3@2079.75,3927.25 cw(c2139.5,3867.5) 2139.5,3952 cw(c2139.5,4036.5) 下载.3@2079.75,3976.75 ; J13.2@2085.05,4842.51 cw(c2109.71,4826.71) 2109.71,4856 cw(c2109.71,4885.29) J13.2@2085.05,4869.49 ; J10.2@2085.75,4451.25 cw(c2145.5,4391.5) 2145.5,4476 cw(c2145.5,4560.5) J10.2@2085.75,4500.75 ; J13.2@2093.47,4837.12 cw(c2128,4814.99) 2128,4856 ; J13.2@2093.47,4874.88 ccw(c2128,4897.01) 2128,4856 ; J12.2@2163.53,4836.12 ccw(c2129,4813.99) 2129,4855 ; J12.2@2163.53,4873.88 cw(c2129,4896.01) 2129,4855 ; J8.2@2166.25,4451.25 ccw(c2106.5,4391.5) 2106.5,4476 ccw(c2106.5,4560.5) J8.2@2166.25,4500.75 ; J12.2@2171.95,4841.51 ccw(c2147.29,4825.71) 2147.29,4855 ccw(c2147.29,4884.29) J12.2@2171.95,4868.49 ; J8.2@2173.32,4458.32 ccw(c2130.64,4415.64) 2130.64,4476 ccw(c2130.64,4536.36) J8.2@2173.32,4493.68 ; LM7805.2@2179,2536 2292,2649 2525.07,2649 L293D.5@2609.99,2564.08 L293D.12@2909.99,2564.08 ; LM7805.2@2179,2561 ccw(c2179,2621.36) 2221.68,2578.68 ccw(c2264.36,2536) LM7805.2@2204,2536 ; LM7805.2@2179,2571 ccw(c2179,2655.5) 2238.75,2595.75 ccw(c2298.5,2536) LM7805.2@2214,2536 ; J12.2@2193,4855 2129,4855 ; U2.40@2263.86,4128.37 cw(c2199.84,4064.36) 2290.38,4064.36 cw(c2380.91,4064.36) 2316.89,4128.37 cw(c2380.91,4064.36) 2380.91,4154.89 cw(c2380.91,4245.42) U2.40@2316.89,4181.41 ; U2.40@2270.93,4135.44 cw(c2223.99,4088.5) 2290.38,4088.5 cw(c2356.77,4088.5) 2309.82,4135.44 cw(c2356.77,4088.5) 2356.77,4154.89 cw(c2356.77,4221.28) U2.40@2309.82,4174.34 ; U2.39@2353.14,4150.45 ccw(c2335.02,4148.3) 2339.75,4165.92 ccw(c2343.89,4181.38) U2.39@2357.8,4173.46 ; U2.39@2353.14,4159.33 cw(c2335.02,4161.48) 2339.75,4143.86 cw(c2343.89,4128.4) U2.39@2357.8,4136.32 ; U2.39@2354.48,4144.04 ccw(c2332.07,4137.27) 2338.13,4159.88 ccw(c2341.91,4173.98) U2.39@2355.49,4168.63 ; U2.39@2354.48,4165.74 cw(c2332.07,4172.51) 2338.13,4149.9 cw(c2341.91,4135.8) U2.39@2355.49,4141.15 ; U2.39@2363.86,4128.37 ccw(c2299.84,4064.36) 2299.84,4154.89 ccw(c2299.84,4245.42) U2.39@2363.86,4181.41 ; U2.39@2370.93,4135.44 ccw(c2323.99,4088.5) 2323.99,4154.89 ccw(c2323.99,4221.28) U2.39@2370.93,4174.34 ; L293D.5@2572.49,2564.08 ccw(c2481.96,2564.08) 2545.98,2628.1 ccw(c2609.99,2692.11) L293D.5@2609.99,2601.58 ; L293D.5@2582.49,2564.08 ccw(c2516.1,2564.08) 2563.05,2611.03 ccw(c2609.99,2657.97) L293D.5@2609.99,2591.58 ; L293D.5@2629.44,2544.63 cw(c2676.38,2497.69) 2676.38,2564.08 cw(c2676.38,2630.47) L293D.5@2629.44,2583.53 ; L293D.5@2636.51,2537.56 cw(c2700.53,2473.55) 2700.53,2564.08 cw(c2700.53,2654.61) L293D.5@2636.51,2590.6 ; L293D.12@2883.48,2537.56 ccw(c2819.46,2473.55) 2819.46,2564.08 ccw(c2819.46,2654.61) L293D.12@2883.48,2590.6 ; L293D.12@2890.55,2544.63 ccw(c2843.6,2497.69) 2843.6,2564.08 ccw(c2843.6,2630.47) L293D.12@2890.55,2583.53 ; L293D.13@2909.99,2664.08 3097,2664.08 3125.08,2636 3301,2636 蓝牙模块.3@3361,2696 ; L293D.13@2929.44,2644.63 cw(c2976.38,2597.69) 2976.38,2664.08 cw(c2976.38,2730.47) L293D.13@2929.44,2683.53 ; L293D.13@2936.51,2637.56 cw(c3000.53,2573.55) 3000.53,2664.08 cw(c3000.53,2754.61) L293D.13@2936.51,2690.6 ; K1.1@3226,1899 3363.47,1902.47 K1.1@3494.74,1902.47 3559,1902.47 ; K1.1@3246.18,1886.94 cw(c3277.27,1857.38) 3276.19,1900.27 ; K1.1@3252.45,1918.93 ccw(c3297.75,1966.58) 3299.41,1900.85 ; K1.1@3253.43,1880.05 cw(c3302.01,1833.86) 3300.32,1900.87 ; K1.1@3259.34,1926.18 ccw(c3321.28,1991.32) 3323.54,1901.46 ; K1.1@3260.68,1873.16 cw(c3326.75,1810.33) 3324.46,1901.48 ; 蓝牙模块.3@3326,2696 cw(c3241.5,2696) 3301.25,2636.25 cw(c3361,2576.5) 蓝牙模块.3@3361,2661 ; 蓝牙模块.3@3336,2696 cw(c3275.64,2696) 3318.32,2653.32 cw(c3361,2610.64) 蓝牙模块.3@3361,2671 ; K1.1@3460.72,1875.95 ccw(c3396.71,1811.93) 3396.71,1902.47 ccw(c3396.71,1993) K1.1@3460.72,1928.98 ; K1.1@3467.79,1883.02 ccw(c3420.85,1836.08) 3420.85,1902.47 ccw(c3420.85,1968.86) K1.1@3467.79,1921.91 ; K1.1@3536.73,1887.76 cw(c3559,1878.26) 3559,1902.47 ; K1.1@3536.73,1917.18 ccw(c3559,1926.67) 3559,1902.47 ; 蓝牙模块2.1@3576,3037 3934,3037 3971,3000 4017,3000 J8_1.2@4097,3080 ; K2.1@3585.31,1884.59 ccw(c3561.47,1873.85) 3561.47,1900 ; K2.1@3585.31,1915.41 cw(c3561.47,1926.15) 3561.47,1900 ; 蓝牙模块2.1@3593.68,3019.32 cw(c3636.36,2976.64) 3636.36,3037 cw(c3636.36,3097.36) 蓝牙模块2.1@3593.68,3054.68 ; K2.1@3594.43,1888.7 ccw(c3576.94,1880.82) 3576.94,1900 ccw(c3576.94,1919.18) K2.1@3594.43,1911.3 ; 蓝牙模块2.1@3600.75,3012.25 cw(c3660.5,2952.5) 3660.5,3037 cw(c3660.5,3121.5) 蓝牙模块2.1@3600.75,3061.75 ; K2.1@3647.18,1887.94 cw(c3678.27,1858.38) 3677.19,1901.27 ; K2.1@3653.45,1919.93 ccw(c3698.75,1967.58) 3700.41,1901.85 ; K2.1@3654.43,1881.05 cw(c3703.01,1834.86) 3701.32,1901.87 ; K2.1@3660.34,1927.18 ccw(c3722.28,1992.32) 3724.54,1902.46 ; K2.1@3661.68,1874.16 cw(c3727.75,1811.33) 3725.46,1902.48 ; K2.1@3861.72,1876.95 ccw(c3797.71,1812.93) 3797.71,1903.47 ccw(c3797.71,1994) K2.1@3861.72,1929.98 ; K2.1@3868.79,1884.02 ccw(c3821.85,1837.08) 3821.85,1903.47 ccw(c3821.85,1969.86) K2.1@3868.79,1922.91 ; K2.1@3938.43,1890.52 cw(c3957,1883.68) 3957,1903.47 ; K2.1@3938.43,1916.42 ccw(c3957,1923.25) 3957,1903.47 ; K3.1@3978.37,1887.88 ccw(c3959.47,1880.82) 3959.47,1901 ; K3.1@3978.37,1914.12 cw(c3959.47,1921.18) 3959.47,1901 ; K3.1@4041.18,1888.94 cw(c4072.27,1859.38) 4071.19,1902.27 ; K3.1@4047.45,1920.93 ccw(c4092.75,1968.58) 4094.41,1902.85 ; K3.1@4048.43,1882.05 cw(c4097.01,1835.86) 4095.32,1902.87 ; K3.1@4054.34,1928.18 ccw(c4116.28,1993.32) 4118.54,1903.46 ; K3.1@4055.68,1875.16 cw(c4121.75,1812.33) 4119.46,1903.48 ; J8_1.2@4062,3080 cw(c3977.5,3080) 4037.25,3020.25 cw(c4097,2960.5) J8_1.2@4097,3045 ; J8_1.2@4072,3080 cw(c4011.64,3080) 4054.32,3037.32 cw(c4097,2994.64) J8_1.2@4097,3055 ; J15.3@4106,4545 cw(c4106,4460.5) 4165.75,4520.25 cw(c4225.5,4580) J15.3@4141,4580 ; J15.3@4106,4555 cw(c4106,4494.64) 4148.68,4537.32 cw(c4191.36,4580) J15.3@4131,4580 ; J15.3@4106,4580 4206,4480 J14.2@4232,4480 ; J9.2@4107,4855 4172,4855 ; J15.3@4110.57,4555.42 cw(c4118.07,4515.04) 4141.32,4548.9 ; J15.3@4112.39,4545.59 cw(c4124.3,4481.47) 4161.22,4535.23 ; J15.3@4120.94,4581.34 ccw(c4162.71,4585.08) 4138.97,4550.51 ; J15.3@4127.87,4558.13 ccw(c4232,4662.27) J14.2@4232,4515 ; J9.2@4127.87,4841.24 cw(c4153.43,4824.39) 4153.43,4855 cw(c4153.43,4885.61) J9.2@4127.87,4868.76 ; J15.3@4130.9,4582.23 ccw(c4190.18,4587.54) 4156.49,4538.48 ; J9.2@4136.22,4835.74 cw(c4172,4812.15) 4172,4855 ; J9.2@4136.22,4874.26 ccw(c4172,4897.85) 4172,4855 ; J15.3@4140.86,4583.12 ccw(c4217.64,4590) 4174.01,4526.45 ; 4144.94,4541.06 ccw(c4232,4628.12) J14.2@4232,4505 ; 4162.01,4523.99 ccw(c4232,4593.98) J14.2@4232,4495 ; 4179.08,4506.92 ccw(c4232,4559.84) J14.2@4232,4485 ; 4190.64,4495.36 cw(c4175.27,4480) J14.2@4197,4480 ; J11.2@4208.78,4836.74 ccw(c4173,4813.15) 4173,4856 ; J11.2@4208.78,4875.26 cw(c4173,4898.85) 4173,4856 ; J11.2@4217.13,4842.24 ccw(c4191.57,4825.39) 4191.57,4856 ccw(c4191.57,4886.61) J11.2@4217.13,4869.76 ; J11.2@4238,4856 4173,4856 ; K3.1@4255.72,1877.95 ccw(c4191.71,1813.93) 4191.71,1904.47 ccw(c4191.71,1995) K3.1@4255.72,1930.98 ; K3.1@4262.79,1885.02 ccw(c4215.85,1838.08) 4215.85,1904.47 ccw(c4215.85,1970.86) K3.1@4262.79,1923.91 ; K3.1@4289.74,1904.47 4158.47,1904.47 K3.1@4021,1901 3959.47,1901 ; 2128,4856 2129,4855 ; 3559,1902.47 3561.47,1900 ; 3561.47,1900 K2.1@3627,1900 3764.47,1903.47 K2.1@3895.74,1903.47 3957,1903.47 ; 3957,1903.47 3959.47,1901 ; 4172,4855 4173,4856
Net_YY: 1K.2@3838,2874 J8_1.1 | length 899.4
  Bottom Layer w10: 1K.2@3838,2874 3901,2937 4054,2937 J8_1.1@4197,3080 ; 1K.2@3838,2899 ccw(c3838,2959.36) 3880.68,2916.68 ccw(c3923.36,2874) 1K.2@3863,2874 ; 1K.2@3838,2909 ccw(c3838,2993.5) 3897.75,2933.75 ccw(c3957.5,2874) 1K.2@3873,2874 ; J8_1.1@4162,3080 cw(c4077.5,3080) 4137.25,3020.25 cw(c4197,2960.5) J8_1.1@4197,3045 ; J8_1.1@4172,3080 cw(c4111.64,3080) 4154.32,3037.32 cw(c4197,2994.64) J8_1.1@4197,3055
NetD3_1: 1K.2@3972,2554 D1.1 | length 339.7
  Bottom Layer w10: D1.1@3836,2433 3905,2433 3972,2500 ; D1.1@3855.87,2420.63 cw(c3885.75,2390.75) 3885.75,2433 cw(c3885.75,2475.25) D1.1@3855.87,2445.37 ; 1K.2@3957.71,2522.05 cw(c3947.85,2500) 3972,2500 ; 1K.2@3972,2554 3972,2500 ; 1K.2@3986.29,2522.05 ccw(c3996.15,2500) 3972,2500
NetD4_1: 1K.2@4094,2552 D2.1 | length 472.9
  Top Layer w10: D2.1@4024,2433 4077,2433 4094,2450 1K.2@4094,2552 ; D2.1@4043.87,2420.63 cw(c4073.75,2390.75) 4073.75,2433 cw(c4073.75,2475.25) D2.1@4043.87,2445.37 ; 1K.2@4069.25,2527.25 cw(c4009.5,2467.5) 4094,2467.5 cw(c4178.5,2467.5) 1K.2@4118.75,2527.25 ; 1K.2@4076.32,2534.32 cw(c4033.64,2491.64) 4094,2491.64 cw(c4154.36,2491.64) 1K.2@4111.68,2534.32
NetD5_1: 1K.2@4211,2551 D3.1 | length 345.5
  Top Layer w10: 1K.2@4186.25,2526.25 cw(c4126.5,2466.5) 4211,2466.5 cw(c4295.5,2466.5) 1K.2@4235.75,2526.25 ; 1K.2@4193.32,2533.32 cw(c4150.64,2490.64) 4211,2490.64 cw(c4271.36,2490.64) 1K.2@4228.68,2533.32 ; D3.1@4211,2433 1K.2@4211,2551
NetJ4_1: L293D.3 M1.1 | length 1330.2
  Top Layer w10: M1.1@2539.25,1959.75 ccw(c2479.5,2019.5) 2564,2019.5 ccw(c2648.5,2019.5) M1.1@2588.75,1959.75 ; M1.1@2546.32,1952.68 ccw(c2503.64,1995.36) 2564,1995.36 ccw(c2624.36,1995.36) M1.1@2581.68,1952.68 ; M1.1@2564,1935 2564,2175 2547,2192 2547,2701.09 ; L293D.3@2572.49,2763.65 cw(c2485.45,2762.65) 2547,2701.09 ; L293D.3@2582.49,2763.76 cw(c2518.66,2763.03) 2563.8,2717.89 cw(c2608.94,2672.75) L293D.3@2609.68,2736.58 ; L293D.3@2609.56,2726.58 ccw(c2608.56,2639.54) 2547,2701.09 ; L293D.3@2609.99,2764.08 2547,2701.09
NetJ4_2: L293D.6 M1.2 | length 1027
  Top Layer w10: L293D.6@2609.99,2464.08 2673,2401.07 2673,2239 2664,2230 M1.2@2664,1935 ; L293D.6@2610.3,2436.58 cw(c2611.03,2372.71) 2656.2,2417.88 cw(c2701.36,2463.05) L293D.6@2637.49,2463.77 ; L293D.6@2610.42,2426.58 cw(c2611.4,2339.48) 2673,2401.08 cw(c2734.59,2462.67) L293D.6@2647.49,2463.66 ; M1.2@2639.25,1959.75 ccw(c2579.5,2019.5) 2664,2019.5 ccw(c2748.5,2019.5) M1.2@2688.75,1959.75 ; M1.2@2646.32,1952.68 ccw(c2603.64,1995.36) 2664,1995.36 ccw(c2724.36,1995.36) M1.2@2681.68,1952.68
NetJ5_1: L293D.11 M2.1 | length 953.4
  Top Layer w10: M2.1@2857.85,1942.65 ccw(c2818.47,1951.46) 2847,1980 ; M2.1@2867.6,1940.46 ccw(c2839.48,1946.76) 2859.86,1967.14 ccw(c2880.24,1987.52) M2.1@2886.54,1959.4 ; L293D.11@2872.49,2463.65 cw(c2785.45,2462.65) 2847,2401.09 ; L293D.11@2882.49,2463.76 cw(c2818.66,2463.03) 2863.8,2417.89 cw(c2908.94,2372.75) L293D.11@2909.68,2436.58 ; M2.1@2884.35,1969.15 cw(c2875.54,2008.53) 2847,1980 ; M2.1@2892,1935 2847,1980 ; L293D.11@2909.56,2426.58 ccw(c2908.56,2339.54) 2847,2401.09 ; L293D.11@2909.99,2464.08 2847,2401.09 ; 2847,1980 2847,2401.09